# Altium PCB 蓝桥1.3.PcbDoc (part 2 of 2)
Units mm, origin at the board's own origin, x right, y up, seen from the top; angles counter-clockwise.
Board outline 175.02 x 129.02 mm, 2 copper layers (Top Layer, Bottom Layer); 128 components, 128 nets, 604 pads, 130 vias.
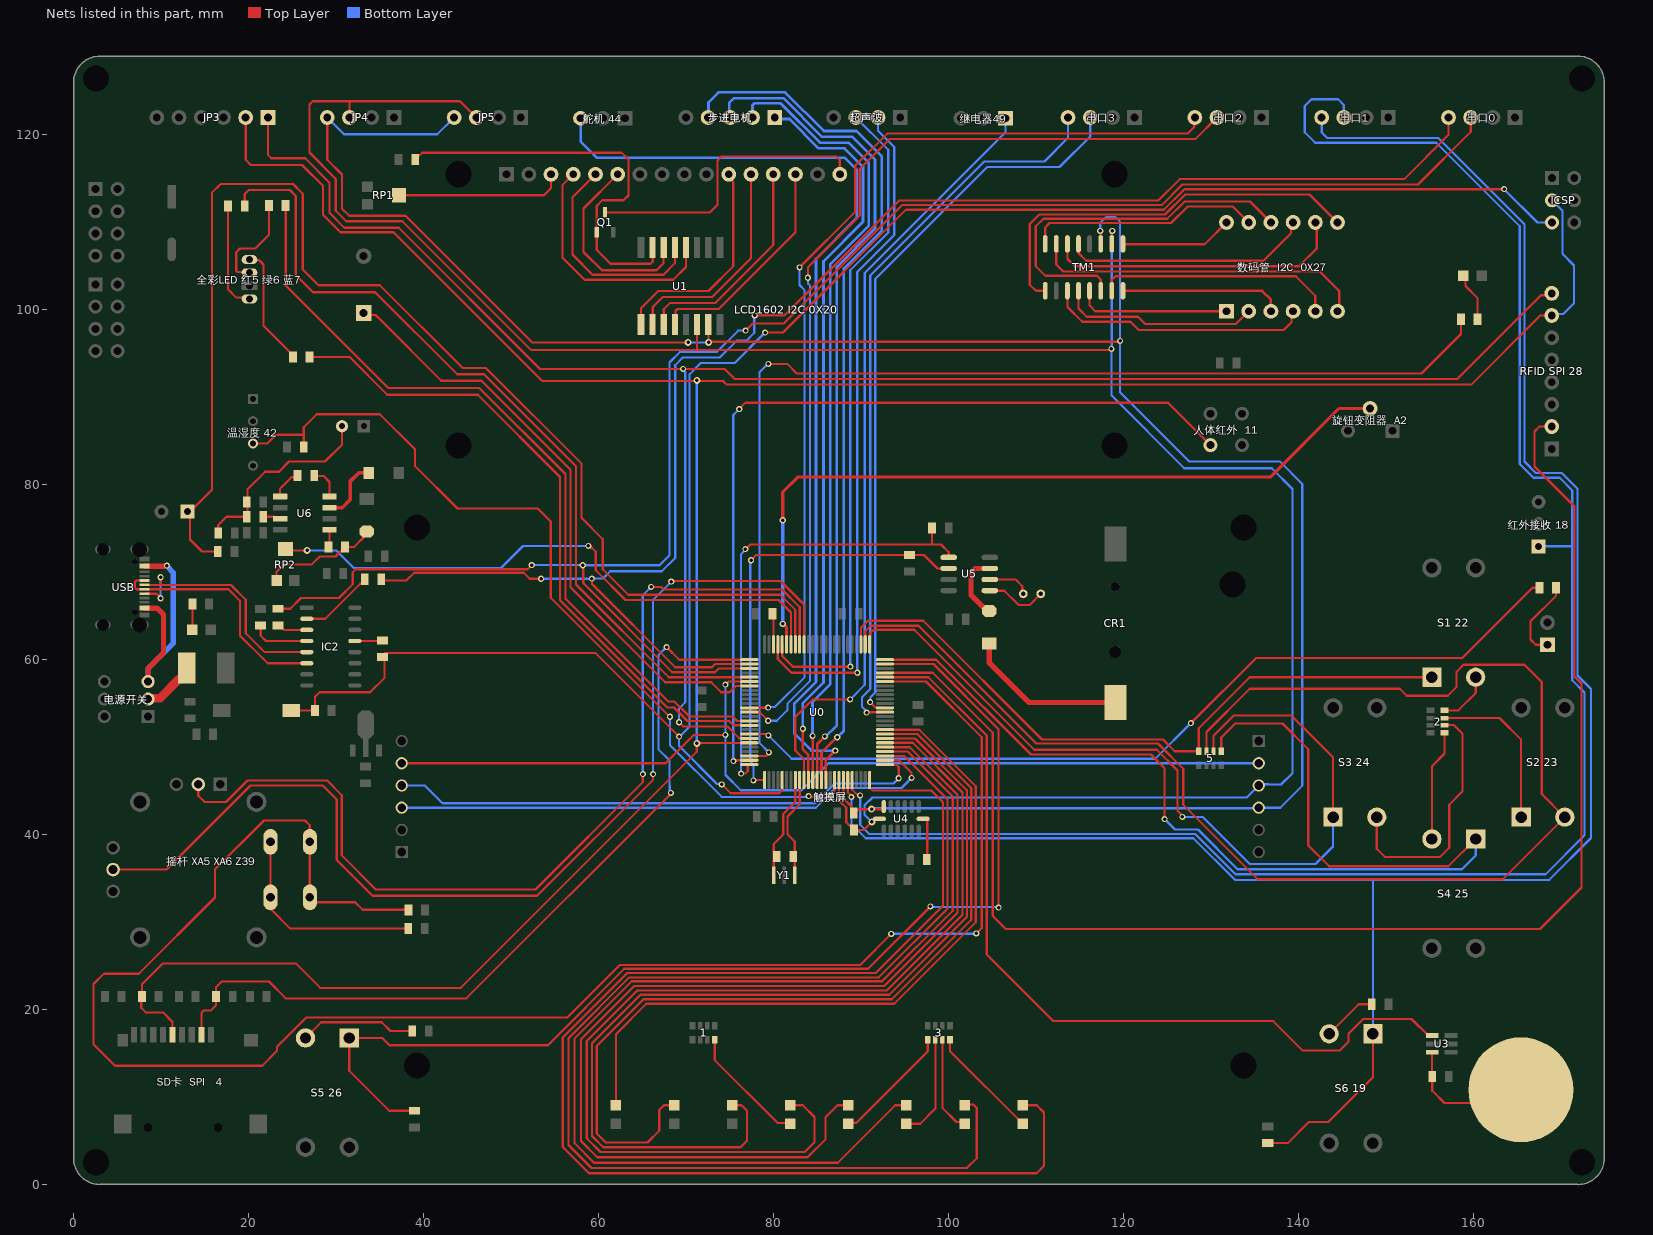
[diagram p2: the nets of this part, all layers, seen from the top]

## Via types
v1: diameter 0.7, hole 0.4, Top Layer to Bottom Layer, 71 vias
v2: diameter 0.8, hole 0.4, Top Layer to Bottom Layer, 59 vias

## Nets (pads, with @x,y where several pads share a name; then routed paths per layer and width w, separated by ;. In a path a pad name is that pad's centre, name@x,y a point inside that pad or via, vN(x,y) a via of type N, cw(c..) or ccw(c..) an arc to the next point about the centre after c; other vN are vias at no path point) (continued)
Net1_4: 1.4 LED4.1 | length 14
  Top Layer w0.254: 1.4@73.31,16.55 73.31,14.215 80.5,7.025 81.854,7.025 LED4.1@81.929,6.95
Net2_5: 2.5 "S4 25.2" | length 12.7
  Top Layer w0.254: 155.3,39.5 155.3,47.825 156.75,49.275 2.5@156.75,51.645
Net2_6: 2.6 "S3 24.2" | length 28.9
  Top Layer w0.254: 149,42 149,38.375 149.95,37.425 156.2,37.425 157.275,38.5 157.275,43.425 158.8,44.95 158.8,51.525 157.8,52.525 2.6@156.75,52.525
Net2_7: 2.7 "S2 23.1" | length 18.6
  Top Layer w0.254: 2.7@156.75,53.325 163.025,53.325 165.5,50.85 165.5,42
Net2_8: 2.8 "S1 22.2" | length 6.2
  Top Layer w0.254: 2.8@156.75,54.205 158.305,54.205 160.3,56.2 160.3,58
Net3_1: 3.1 LED5.1 | length 13.8
  Top Layer w0.254: LED5.1@88.571,6.95 88.671,7.05 89.5,7.05 97.645,15.195 3.1@97.645,16.55
Net3_2: 3.2 LED6.1 | length 11.9
  Top Layer w0.254: LED6.1@95.214,6.95 96.8,6.95 98.525,8.675 3.2@98.525,16.55
Net3_3: 3.3 LED7.1 | length 11.1
  Top Layer w0.254: 3.3@99.325,16.55 99.325,8.775 100.95,7.15 101.657,7.15 LED7.1@101.857,6.95
Net3_4: 3.4 LED8.1 | length 13
  Top Layer w0.254: 3.4@100.205,16.55 100.205,15.245 LED8.1@108.5,6.95
NetC6_2: C6.2 U0.98 | length 3.5
  Top Layer w0.254: C6.2@79.9,65.25 80.006,65.144 U0.98@80.006,61.752
NetC12_2: C12.2 IC2.13 | length 3
  Top Layer w0.254: IC2.13@32.152,62.135 C12.2@35.16,62.135
NetC14_2: C14.2 IC2.4 | length 6.7
  Top Layer w0.254: C14.2@21.375,63.9 21.375,62.75 21.99,62.135 IC2.4@26.648,62.135
NetC16_2: "声音   A3.2" C16.2 C23.1 R24.1 | length 22.8
  Top Layer w0.254: R24.1@16.525,74.5 16.525,75.4 17.475,76.35 C23.1@19.776,76.35 C23.1@19.825,76.3 ; C23.1@19.875,76.35 19.875,79.475 21.895,81.495 23.47,81.495 24.625,82.65 28.725,82.65 30.667,84.592 30.667,86.692 30.675,86.7
NetC19_2: "触摸按键  29.1" C19.2 U3.3 | length 15.8
  Top Layer w0.254: U3.3@155.321,15.118 155.321,12.354 C19.2@155.325,12.35 155.325,10.725 156.75,9.3 163.95,9.3 165.475,10.825
NetC22_1: C22.1 U6.8 | length 3.7
  Top Layer w0.254: C22.1@27.5,81.05 27.55,81 28.575,81 29.25,80.325 U6.8@29.25,78.655
NetC22_2: C22.2 U6.1 | length 3.5
  Top Layer w0.254: U6.1@23.6,78.655 23.6,79.55 24.91,80.86 25.41,80.86 C22.2@25.6,81.05
NetC23_2: C23.2 U6.3 | length 1.9
  Top Layer w0.254: C23.2@21.775,76.35 22.865,76.35 23.1,76.115 U6.3@23.6,76.115
NetC24_1: C24.1 U6.5 | length 2
  Top Layer w0.254: C24.1@29.125,72.9 29.25,73.025 U6.5@29.25,74.845
NetC24_2: C24.2 DZ1.2 RP2.1 | length 13.1
  Top Layer w0.254: RP2.1@23.2,69.05 23.2,70.051 24.049,70.9 27.225,70.9 28.125,71.8 29.925,71.8 30.517,72.392 30.707,72.392 31.025,72.709 C24.2@31.025,72.9 32.075,72.9 33.375,74.2 DZ1.2@33.5,74.2
NetCR1_1: CR1.1 D1.1 | length 18.5
  Top Layer w0.61: D1.1@104.675,61.845 104.675,59.675 109.252,55.098 CR1.1@119.1,55.098
NetD1_2: D1.2 U5.3 | length 7.8
  Top Layer w0.61: D1.2@104.675,65.555 104.42,65.555 102.6,67.375 102.6,69.95 103.085,70.435 U5.3@104.75,70.435
NetE1_1: E1.1 U6.7 | length 7.5
  Top Layer w0.254: E1.1@33.75,81.25 E1.1@33.75,81.35
  Top Layer w0.406: U6.7@29.25,77.385 30.71,77.385 31.6,78.275 31.6,80.375 32.575,81.35 E1.1@33.75,81.35
NetF1_2: F1.2 电源开关.2 | length 6.3
  Top Layer w1.016: 电源开关.2@8.5,55.5 8.593,55.593 9.868,55.593 12.083,57.808 12.408,57.808 12.9,58.3 F1.2@12.9,59.05
NetIC2_2: IC2.2 RN6.1 | length 8.6
  Top Layer w0.254: IC2.2@26.648,64.675 28.75,64.675 32.767,68.692 32.957,68.692 33.275,69.009 RN6.1@33.275,69.2
NetIC2_3: IC2.3 RN5.1 | length 3.5
  Top Layer w0.254: RN5.1@23.35,63.925 23.541,63.925 24.061,63.405 IC2.3@26.648,63.405
NetIC2_5: IC2.5 USB.A6 USB.B6 | length 29.4
  Top Layer w0.254: USB.B6@8.09,67.55 9.475,67.55 9.925,67.1 v1(9.925,67.025) ; USB.A6@8.09,68.55 9.95,68.55 ; v1(9.925,69.425) 9.95,69.4 9.95,68.55 ; IC2.5@26.648,60.865 21.835,60.865 21.335,61.365 19.675,63.025 19.675,66.85 17.975,68.55 9.95,68.55
  Bottom Layer w0.254: v1(9.925,67.025) v1(9.925,69.425)
NetIC2_6: IC2.6 USB.A7 USB.B7 | length 27.4
  Top Layer w0.254: USB.B7@8.09,69.05 7.175,69.05 6.975,68.85 6.975,68.25 7.175,68.05 USB.A7@8.09,68.05 17.7,68.05 19,66.75 19,62.775 21.68,60.095 22.18,59.595 IC2.6@26.648,59.595
"NetLCD1602 I2C 0X20_3": "LCD1602 I2C 0X20.3" RP1.2 | length 19.3
  Top Layer w0.254: RP1.2@37.2,113.1 53.775,113.1 54.58,113.905 54.58,115.5
"NetLCD1602 I2C 0X20_4": "LCD1602 I2C 0X20.4" U1.4 | length 28
  Top Layer w0.254: 57.12,115.5 55.875,114.255 55.875,105.975 58.4,103.45 68.55,103.45 70.01,104.91 U1.4@70.01,107.125
"NetLCD1602 I2C 0X20_5": "LCD1602 I2C 0X20.5" U1.5 | length 25.3
  Top Layer w0.254: 59.66,115.5 57.025,112.865 57.025,106.325 59.325,104.025 67.45,104.025 68.74,105.315 U1.5@68.74,107.125
"NetLCD1602 I2C 0X20_6": "LCD1602 I2C 0X20.6" U1.6 | length 22.6
  Top Layer w0.254: 62.2,115.5 58.3,111.6 58.3,106.625 60.4,104.525 66.643,104.525 67.433,105.315 67.433,107.088 U1.6@67.47,107.125
"NetLCD1602 I2C 0X20_11": "LCD1602 I2C 0X20.11" U1.9 | length 25.1
  Top Layer w0.254: U1.9@64.88,98.325 64.88,100.205 66.825,102.15 72.575,102.15 75.425,105 75.425,114.625 74.9,115.15 74.9,115.5
"NetLCD1602 I2C 0X20_12": "LCD1602 I2C 0X20.12" U1.10 | length 25.2
  Top Layer w0.254: U1.10@66.2,98.325 66.2,100.325 67.35,101.475 73.025,101.475 77.44,105.89 77.44,115.5
"NetLCD1602 I2C 0X20_13": "LCD1602 I2C 0X20.13" U1.11 | length 25.4
  Top Layer w0.254: U1.11@67.47,98.325 67.47,100.07 68.2,100.8 73.375,100.8 79.98,107.405 79.98,115.5
"NetLCD1602 I2C 0X20_14": "LCD1602 I2C 0X20.14" U1.12 | length 25.6
  Top Layer w0.254: U1.12@68.74,98.325 68.802,98.387 68.802,99.862 69.04,100.1 73.75,100.1 82.52,108.87 82.52,115.5
"NetLCD1602 I2C 0X20_16": "LCD1602 I2C 0X20.16" Q1.3 | length 34.2
  Top Layer w0.254: Q1.3@60.75,111.143 72.718,111.143 73.625,112.05 73.625,117.075 74.075,117.525 87.175,117.525 87.6,117.1 87.6,115.5
NetLED1_2: LED1.2 U0.59 | length 83.2
  Top Layer w0.254: LED1.2@62,9.05 62,17.175 65.475,20.65 93.825,20.65 103.15,29.975 103.15,45.525 96.675,52 U0.59@92.758,52
NetLED2_2: LED2.2 U0.58 | length 98.7
  Top Layer w0.254: LED2.2@68.643,9.05 67.5,9.05 66.95,8.5 66.95,6.15 65.6,4.8 60.825,4.8 59.8,5.825 59.8,15.825 65.15,21.175 93.55,21.175 102.625,30.25 102.625,45.325 96.45,51.5 U0.58@92.758,51.5
NetLED3_2: LED3.2 U0.57 | length 109.7
  Top Layer w0.254: LED3.2@75.286,9.05 76.35,9.05 76.975,8.425 76.975,4.986 76.239,4.25 60.55,4.25 59.25,5.55 59.25,16.15 64.8,21.7 93.25,21.7 102.125,30.575 102.125,45.075 96.2,51 U0.57@92.758,51
NetLED4_2: LED4.2 U0.56 | length 118.7
  Top Layer w0.254: LED4.2@81.929,9.05 83.35,9.05 84.7,7.7 84.7,4.825 83.575,3.7 60.225,3.7 58.65,5.275 58.65,16.4 64.425,22.175 92.975,22.175 101.625,30.825 101.625,44.825 95.95,50.5 U0.56@92.758,50.5
NetLED5_2: LED5.2 U0.55 | length 120
  Top Layer w0.254: LED5.2@88.571,9.05 87.325,9.05 85.975,7.7 85.975,5.175 83.9,3.1 59.875,3.1 58,4.975 58,16.6 64.1,22.7 92.675,22.7 101.05,31.075 101.05,44.55 95.6,50 U0.55@92.758,50
NetLED6_2: LED6.2 U0.54 | length 125.8
  Top Layer w0.254: U0.54@92.758,49.5 95.35,49.5 100.5,44.35 100.5,31.3 92.425,23.225 63.8,23.225 57.275,16.7 57.275,4.7 59.5,2.475 87.35,2.475 93.925,9.05 LED6.2@95.214,9.05
NetLED7_2: LED7.2 U0.53 | length 139
  Top Layer w0.254: U0.53@92.758,49 94.95,49 99.925,44.025 99.925,31.55 92.05,23.675 63.525,23.675 56.575,16.725 56.575,4.5 59.2,1.875 102.125,1.875 103.25,3 103.25,8.75 102.855,9.145 101.952,9.145 LED7.2@101.857,9.05
NetLED8_2: LED8.2 U0.50 | length 149.5
  Top Layer w0.254: U0.50@91.006,46.248 91.006,45.399 91.08,45.325 91.1,45.325 91.375,45.05 98.05,45.05 99.4,43.7 99.4,31.875 91.7,24.175 63.3,24.175 55.925,16.8 55.925,4.275 58.925,1.275 110.1,1.275 110.95,2.125 110.95,8.225 110.125,9.05 LED8.2@108.5,9.05
NetLED9_1: LED9.1 R15.2 | length 5.7
  Top Layer w0.254: LED9.1@159.131,104.013 159.131,102.719 160.525,101.325 R15.2@160.525,98.925
NetLED10_1: LED10.1 RN1.2 | length 2.6
  Top Layer w0.254: RN1.2@13.575,66.375 13.575,63.83 LED10.1@13.605,63.8
NetQ1_1: Q1.1 R8.2 U1.7 | length 47.2
  Top Layer w0.254: R8.2@39.05,117.175 39.05,117.365 39.291,117.607 39.482,117.607 39.85,117.975 62.65,117.975 63.425,117.2 63.425,113.075 62.875,112.525 60.45,112.525 59.8,111.875 Q1.1@59.8,108.857 59.8,106.85 61.375,105.275 65.962,105.275 66.2,105.513 U1.7@66.2,107.125
NetR1_1: R1.1 U0.33 Y1.1 | length 11.9
  Top Layer w0.254: Y1.1@80.05,35.35 80.05,37.475 80.05,38.925 81.125,40 81.125,42.35 82.506,43.731 U0.33@82.506,46.248
NetR1_2: R1.2 U0.34 Y1.3 | length 11.8
  Top Layer w0.254: Y1.3@82.45,35.35 82.45,37.475 82.45,39.2 81.625,40.025 81.625,42.075 83.006,43.456 U0.34@83.006,46.248
NetR5_1: "全彩LED 红5 绿6 蓝7.1" R5.1 | length 12.4
  Top Layer w0.254: R5.1@17.65,111.875 17.65,102.35 18.6,101.4 19.925,101.4 20.1,101.575
NetR6_1: "全彩LED 红5 绿6 蓝7.3" R6.1 | length 11.7
  Top Layer w0.254: 20.1,104.075 19.85,104.325 18.725,104.325 18.575,104.475 18.575,106.575 19.025,107.025 20.746,107.025 22.325,108.604 R6.1@22.325,111.95
NetR7_1: "全彩LED 红5 绿6 蓝7.4" R7.1 | length 13.8
  Top Layer w0.254: 20.1,105.7 21.175,105.7 21.7,105.175 21.7,98.19 25.075,94.815 R7.1@25.075,94.625
NetR9_2: "红外发射  9.1" R9.2 | length 9.3
  Top Layer w0.254: 168.5,61.705 167.17,61.705 166.575,62.3 166.575,64.4 169.5,67.325 R9.2@169.5,68.225
NetR14_1: R14.1 U4.7 | length 5.4
  Top Layer w0.254: U4.7@96.722,41.8 96.779,41.743 97.432,41.743 97.6,41.575 97.6,37.225 R14.1@97.55,37.175
NetR18_1: "S5 26.2" R18.1 | length 13.4
  Top Layer w0.254: 26.5,16.75 28.3,18.55 35.225,18.55 36.225,17.55 R18.1@38.7,17.55
NetR19_2: "S6 19.2" R19.2 | length 6.4
  Top Layer w0.254: 143.55,17.225 146.925,20.6 R19.2@148.425,20.6 R19.2@148.55,20.475
NetR20_2: "摇杆 XA5 XA6 Z39.a" "摇杆 XA5 XA6 Z39.c" R20.2 | length 24.3
  Top Layer w0.254: 22.5,39.175 22.5,32.825 22.5,31.525 24.775,29.25 R20.2@38.25,29.25
NetTM1_1: "数码管  I2C  0X27.12" TM1.1 | length 12.9
  Top Layer w0.254: TM1.1@119.97,107.542 120.012,107.5 129.31,107.5 131.81,110
NetTM1_5: "数码管  I2C  0X27.9" TM1.5 | length 28.3
  Top Layer w0.254: TM1.5@114.89,107.542 114.9,107.532 114.9,106.5 115.775,105.625 136.05,105.625 139.194,108.769 139.194,109.764 139.43,110
NetTM1_6: "数码管  I2C  0X27.8" TM1.6 | length 34.5
  Top Layer w0.254: TM1.6@113.62,107.542 113.62,105.805 114.45,104.975 140.075,104.975 142.125,107.025 142.125,109.845 141.97,110
NetTM1_7: "数码管  I2C  0X27.6" TM1.7 | length 38.4
  Top Layer w0.254: TM1.7@112.35,107.542 112.35,105.175 113.125,104.4 142.45,104.4 144.7,102.15 144.7,100.03 144.51,99.84
NetTM1_8: "数码管  I2C  0X27.11" TM1.8 | length 26.9
  Top Layer w0.254: TM1.8@111.08,107.542 111.08,109.425 111.58,109.925 125.475,109.925 127.375,111.825 132.525,111.825 134.35,110
NetTM1_9: "数码管  I2C  0X27.7" TM1.9 | length 46.9
  Top Layer w0.254: TM1.9@111.08,102.183 110.017,102.183 109.325,102.875 109.325,109.825 110.4,110.9 124.786,110.9 127.086,113.2 141.31,113.2 144.51,110
NetTM1_11: "数码管  I2C  0X27.4" TM1.11 | length 30.3
  Top Layer w0.254: TM1.11@113.62,102.183 113.62,100.33 115.312,98.637 120.838,98.637 121.775,97.7 138.35,97.7 139.259,98.609 139.259,99.669 139.43,99.84
NetTM1_12: "数码管  I2C  0X27.2" TM1.12 | length 22.8
  Top Layer w0.254: TM1.12@114.89,102.183 114.89,100.16 115.835,99.215 121.685,99.215 122.525,98.375 132.885,98.375 134.35,99.84
NetTM1_13: "数码管  I2C  0X27.1" TM1.13 | length 17.6
  Top Layer w0.254: TM1.13@116.16,102.183 116.16,100.49 116.81,99.84 131.81,99.84
NetTM1_14: "数码管  I2C  0X27.10" TM1.14 | length 43
  Top Layer w0.254: TM1.14@117.43,102.183 117.43,103.47 117,103.9 111.1,103.9 110,105 110,109.55 110.875,110.425 125.05,110.425 127.025,112.4 134.49,112.4 136.89,110
NetTM1_15: "数码管  I2C  0X27.5" TM1.15 | length 27.4
  Top Layer w0.254: TM1.15@118.7,102.183 118.7,103.425 119.125,103.85 139.725,103.85 141.97,101.605 141.97,99.84
NetTM1_16: "数码管  I2C  0X27.3" TM1.16 | length 18.7
  Top Layer w0.305: TM1.16@119.97,102.183 135.867,102.183 136.89,101.16 136.89,99.84
NetU5_1: U5.1 Y3.1 | length 7
  Top Layer w0.254: U5.1@104.75,67.895 106.405,67.895 108.05,66.25 109.3,66.25 Y3.1@110.575,67.525
NetU5_2: U5.2 Y3.2 | length 5
  Top Layer w0.254: U5.2@104.75,69.165 107.71,69.165 108.469,68.406 108.469,67.631 Y3.2@108.575,67.525
NetUSB_A4-B9: USB.A4-B9 USB.B4-A9 电源开关.3 | length 28.2
  Top Layer w0.61: USB.B4-A9@8.09,65.9 9.525,65.9 10.275,65.15 10.275,60.775 8.5,59 电源开关.3@8.5,57.5 ; USB.A4-B9@8.09,70.7 10.6,70.7 v1(10.65,70.75)
  Bottom Layer w0.61: 电源开关.3@8.5,57.5 8.5,59 11.375,61.875 11.375,69.973 10.65,70.698 v1(10.65,70.75)
P1: "SD卡  SPI   4.2" R10.2 U0.1 | length 97.2
  Top Layer w0.254: 14.6,17.127 14.6,19.625 14.85,19.875 15.672,19.875 16.274,20.476 R10.2@16.274,21.475 16.274,22.549 16.925,23.2 22.325,23.2 24.25,21.275 44.9,21.275 68.29,44.665 v1(68.29,44.76) ; v1(67.785,61.45) 69.235,60 U0.1@77.253,60
  Bottom Layer w0.254: v1(67.785,61.45) 66.85,60.515 66.85,49.775 68.125,48.5 68.125,45.618 68.158,45.586 68.158,44.892 v1(68.29,44.76)
P2: RN6.2 U0.2 串口0.4 | length 182.5
  Top Layer w0.254: RN6.2@35.175,69.2 35.325,69.05 38.025,69.05 38.925,69.95 51.45,69.95 52.15,69.25 v1(53.45,69.25) ; v1(59.25,69.275) 59.25,68.65 68.775,59.125 72.975,59.125 73.35,59.5 U0.2@77.253,59.5 ; v1(77.875,99.375) 81.275,99.375 85.325,103.425 94.4,112.5 124,112.5 126.45,114.95 152.125,114.95 157.19,120.015 串口0.4@157.19,122
  Bottom Layer w0.254: v1(53.45,69.25) 53.462,69.263 59.238,69.263 v1(59.25,69.275) 60.525,69.275 61.35,70.1 67.25,70.1 68.775,71.625 68.775,93.675 69.65,94.55 73.875,94.55 75.8,96.475 76.925,96.475 77.825,97.375 77.825,99.325 v1(77.875,99.375)
P3: RN5.2 U0.3 串口0.3 | length 199.8
  Top Layer w0.254: RN5.2@23.35,65.825 24.775,65.825 26,67.05 30.325,67.05 31.9,68.625 31.9,70 32.25,70.35 51.9,70.35 v1(52.375,70.825) ; v1(58.2,70.8) 58.25,70.75 58.25,68.775 68.45,58.575 73.325,58.575 73.75,59 U0.3@77.253,59 ; v1(76.825,97.625) 76.825,97.641 77.634,98.45 81.175,98.45 94.7,111.975 124.4,111.975 126.75,114.325 153.7,114.325 159.73,120.355 串口0.3@159.73,122
  Bottom Layer w0.254: v1(52.375,70.825) 52.387,70.812 58.188,70.812 v1(58.2,70.8) 66.975,70.8 68.125,71.95 68.125,93.975 69.35,95.2 73.55,95.2 75.975,97.625 v1(76.825,97.625)
P5: R5.2 U0.5 | length 95.6
  Top Layer w0.254: R5.2@19.55,111.875 19.55,113.251 19.999,113.7 24.725,113.7 25.4,113.025 25.4,103.975 27.35,102.025 34.45,102.025 43.85,92.625 46.925,92.625 57.425,82.125 57.425,68.6 68.025,58 U0.5@77.253,58
P6: U0.6 触摸屏.5 触摸屏.11 | length 114.5
  Top Layer w0.254: 触摸屏.5@37.5,48.16 67.66,48.16 70.9,51.4 v1(74.525,51.4) ; v1(74.525,57.15) 74.55,57.15 74.9,57.5 U0.6@77.253,57.5
  Bottom Layer w0.254: v1(74.525,57.15) v1(74.525,51.4) 74.525,46.825 76.275,45.075 83.225,45.075 86.31,48.16 触摸屏.11@135.5,48.16
P7: "蜂鸣器  3.1" U0.7 | length 70.2
  Top Layer w0.254: 33.15,99.65 33.39,99.41 34.515,99.41 35.15,98.775 42.025,91.9 46.625,91.9 56.8,81.725 56.8,68.275 67.65,57.425 72.9,57.425 74.05,56.275 74.975,56.275 75.7,57 U0.7@77.253,57
P12: U0.12 串口2.4 | length 110.8
  Top Layer w0.254: U0.12@77.253,54.5 77.266,54.512 79.388,54.512 v1(79.4,54.525) ; v1(82.997,104.847) 89.375,111.225 89.375,116.5 93.025,120.15 127.35,120.15 128.118,120.918 128.118,121.928 串口2.4@128.19,122
  Bottom Layer w0.254: v1(79.4,54.525) 79.481,54.606 80.181,54.606 83.575,58 83.575,102.253 82.997,102.831 v1(82.997,104.847)
P13: U0.13 串口2.3 | length 114
  Top Layer w0.254: U0.13@77.253,54 77.272,53.982 78.443,53.982 v1(79.4,53.025) ; v1(83.95,103.675) 83.95,104.875 89.875,110.8 89.875,116.1 93.325,119.55 128.28,119.55 串口2.3@130.73,122
  Bottom Layer w0.254: v1(79.4,53.025) 80.4,53.025 81.6,54.225 81.6,54.975 84.175,57.55 84.175,102.8 83.95,103.025 v1(83.95,103.675)
P14: R6.2 U0.15 | length 91.2
  Top Layer w0.254: R6.2@24.225,111.95 24.252,111.923 24.252,102.773 35.95,91.075 46.375,91.075 56.225,81.225 56.225,66.975 67.97,55.23 68.67,55.23 70.4,53.5 75.35,53.5 75.85,53 U0.15@77.253,53
P15: R7.2 U0.16 | length 76
  Top Layer w0.254: R7.2@26.975,94.625 31.525,94.625 35.85,90.3 46.2,90.3 55.6,80.9 55.6,66.8 67.875,54.525 68.65,54.525 70.175,53 74.95,53 75.45,52.5 U0.16@77.253,52.5
P18: R9.1 U0.18 | length 99.6
  Top Layer w0.254: U0.18@77.253,51.5 79.127,51.5 79.277,51.35 v1(79.425,51.35) ; v1(127.75,52.75) 135.2,60.2 158.775,60.2 166.8,68.225 R9.1@167.6,68.225
  Bottom Layer w0.254: v1(79.425,51.35) 82.1,48.675 123.675,48.675 v1(127.75,52.75)
P23: R15.1 U0.23 | length 131.3
  Top Layer w0.254: U0.23@77.253,49 79.175,49 79.5,49.325 v1(79.5,49.4) ; v1(79.425,93.825) 81.575,93.825 82.675,92.725 154.1,92.725 158.625,97.25 R15.1@158.625,98.825 ; R15.1@158.625,98.925 R15.1@158.625,98.825 ; R15.1@158.875,99.075 R15.1@158.625,98.825
  Bottom Layer w0.254: v1(79.425,93.825) 79.375,93.825 78.4,92.85 78.4,50.5 v1(79.5,49.4)
P24: "人体红外  11.4" U0.24 | length 98.5
  Top Layer w0.254: v1(75.425,48.4) 75.55,48.4 75.65,48.5 U0.24@77.253,48.5 ; v1@76.125,88.7 76.8,89.375 125.133,89.375 129.979,84.529
  Bottom Layer w0.254: v1(75.425,48.4) 75.425,87.975 v1(76.1,88.65)
P25: R17.1 U0.25 U5.5 | length 54
  Top Layer w0.254: v1(76.3,46.975) 76.325,47 76.825,47 77.075,47.25 77.075,47.956 77.119,48 U0.25@77.253,48 ; v1(76.8,72.65) 76.854,72.65 77.379,73.175 98.175,73.175 ; R17.1@98.15,75.05 98.15,73.2 98.175,73.175 ; U5.5@100.05,71.705 100.05,72.3 99.175,73.175 98.175,73.175
  Bottom Layer w0.254: v1(76.3,46.975) 76.3,72.045 76.8,72.545 v1(76.8,72.65)
P26: R16.1 U0.26 U5.6 | length 50.2
  Top Layer w0.254: v1(77.45,71.375) 78.05,71.975 97.225,71.975 98.765,70.435 U5.6@100.05,70.435 ; v1(77.725,46.2) 77.85,46.2 77.898,46.248 U0.26@79.006,46.248
  Bottom Layer w0.254: v1(77.45,71.375) 77.346,71.271 77.346,48.379 77.725,48 v1(77.725,46.2)
P30: C12.1 ICSP.5 REST.1 RR.2 U0.30 | length 221
  Top Layer w0.254: REST.1@24.801,54.2 RR.2@27.575,54.2 27.575,55.725 28.125,56.275 33.875,56.275 35.55,57.95 35.55,60.325 35.55,60.75 59.675,60.75 v1(69.225,51.2) ; v1(74.1,45.75) 75.125,44.725 80.675,44.725 80.987,45.037 80.987,46.229 U0.30@81.006,46.248 ; v1(79.05,97.4) 81.1,97.4 95.15,111.45 124.65,111.45 127,113.8 v1(163.55,113.8)
  Bottom Layer w0.254: v1(74.1,45.75) 74.052,45.798 73.552,45.798 69.225,50.125 v1(69.225,51.2) 69.275,51.2 70.425,52.35 70.425,92.65 71.7,93.925 75.575,93.925 v1(79.05,97.4) ; v1(163.55,113.8) 167.36,109.99 ICSP.5@169.03,109.99
P35: U0.35 继电器49.1 | length 88.5
  Top Layer w0.254: U0.35@83.506,46.248 83.506,48.619 82.5,49.625 82.5,53.45 84.5,55.45 v1(88.775,55.45)
  Bottom Layer w0.254: v1(88.775,55.45) 90.45,57.125 90.45,104.225 106.54,120.315 继电器49.1@106.54,121.908
P36: U0.36 步进电机.1 | length 85.6
  Top Layer w0.305: v1(83.375,52.1) 83.375,49.75 84.006,49.119 U0.36@84.006,46.248
  Bottom Layer w0.305: 步进电机.1@80.16,122 80.33,121.83 81.82,121.83 85.175,118.475 88.125,118.475 90.25,116.35 90.25,110.075 85.725,105.55 85.725,57.375 83.375,55.025 v1(83.375,52.1)
P37: U0.37 步进电机.2 | length 90.8
  Top Layer w0.305: v1(84.475,51.275) 84.497,51.253 84.497,46.256 U0.37@84.506,46.248
  Bottom Layer w0.305: 步进电机.2@77.62,122 77.62,123.395 77.85,123.625 80.825,123.625 85.325,119.125 88.6,119.125 90.9,116.825 90.9,109.6 86.5,105.2 86.5,57.175 84.475,55.15 v1@84.475,51.287
P38: U0.38 步进电机.3 | length 95.2
  Top Layer w0.305: U0.38@85.006,46.248 85.006,50.331 v1(85.9,51.225)
  Bottom Layer w0.305: 步进电机.3@75.08,122 74.95,122.13 74.95,123.675 75.475,124.2 81.15,124.2 85.575,119.775 89.025,119.775 91.625,117.175 91.625,109.3 87.25,104.925 87.25,52.5 85.975,51.225 v1(85.9,51.225)
P39: U0.39 步进电机.4 | length 99.3
  Top Layer w0.305: U0.39@85.506,46.248 85.506,49.397 87.234,51.125 v1(87.3,51.125)
  Bottom Layer w0.305: 步进电机.4@72.54,122 72.575,122.035 72.575,123.725 73.725,124.875 81.35,124.875 85.775,120.45 89.5,120.45 92.4,117.55 92.4,109.075 88.05,104.725 88.05,51.875 v1(87.3,51.125)
P40: "舵机 44.3" U0.40 | length 112.3
  Top Layer w0.305: U0.40@86.006,46.248 86.006,48.531 v1(87.075,49.6)
  Bottom Layer w0.305: 57.96,121.908 57.96,119.24 59.825,117.375 88.175,117.375 89.525,116.025 89.525,110.475 84.875,105.825 84.875,57.475 82.4,55 82.4,51.55 84.35,49.6 v1(87.075,49.6)
P42: "温湿度 42.2" R4.2 U0.42 | length 97.7
  Top Layer w0.254: 20.5,84.73 22.13,84.73 23.125,85.725 26.275,85.725 26.3,85.7 ; R4.2@26.3,84.325 26.3,85.7 ; v1(68.166,53.475) 54.55,67.091 54.55,75.8 53.075,77.275 43.875,77.275 39.038,82.112 39.038,84.038 35,88.075 27.8,88.075 26.3,86.575 26.3,85.7 ; v1(84.025,44.4) 84.11,44.315 86.365,44.315 86.987,44.937 86.987,46.229 U0.42@87.006,46.248
  Bottom Layer w0.254: v1(68.166,53.475) 68.166,50.234 74.085,44.315 83.94,44.315 v1(84.025,44.4)
P45: "S6 19.1" R23.2 U0.45 串口1.4 | length 236.5
  Top Layer w0.254: U0.45@88.506,46.248 88.506,44.84 88.925,44.421 v1(88.925,44.3) ; R23.2@136.525,4.725 138.8,4.725 141.225,7.15 143.45,7.15 148.55,12.25 148.55,17.225
  Bottom Layer w0.254: v1(88.925,44.3) 88.925,41.2 90.55,39.575 128.025,39.575 132.775,34.825 148.55,34.825 ; 串口1.4@142.69,122 142.69,120.285 143.327,119.648 156.027,119.648 165.875,109.8 165.875,82.65 167.175,81.35 170.15,81.35 171.95,79.55 171.95,58.2 173.5,56.65 173.5,39.6 168.725,34.825 148.55,34.825 ; 148.55,17.225 148.55,34.825
P46: "红外接收 18.1" U0.46 串口1.3 | length 209.5
  Top Layer w0.254: U0.46@89.006,46.248 89.024,46.229 89.024,45.141 89.605,44.56 89.84,44.56 v1(89.925,44.475)
  Bottom Layer w0.254: v1(89.925,44.475) 89.925,41.125 90.975,40.075 128.25,40.075 132.85,35.475 168.3,35.475 172.75,39.925 172.75,56.25 171.35,57.65 171.35,72.9 ; 串口1.3@145.23,122 145.23,123.42 144.575,124.075 141.525,124.075 140.75,123.3 140.75,120.3 141.95,119.1 155.8,119.1 165.35,109.55 165.35,82.375 166.925,80.8 169.9,80.8 171.35,79.35 171.35,72.9 ; 167.5,72.96 171.29,72.96 171.35,72.9
P51: U0.51 触摸屏.4 | length 61.8
  Top Layer w0.254: U0.51@92.758,48 94.05,48 94.325,47.725 v1(94.325,46.45)
  Bottom Layer w0.254: 触摸屏.4@37.5,45.62 40.13,45.62 42.175,43.575 84.75,43.575 87.025,45.85 93.725,45.85 v1(94.325,46.45)
P52: U0.52 触摸屏.3 | length 63.9
  Top Layer w0.254: U0.52@92.758,48.5 94.375,48.5 95.8,47.075 v1(95.8,46.475)
  Bottom Layer w0.254: 触摸屏.3@37.5,43.08 84.855,43.08 85.925,44.15 87.1,45.325 94.65,45.325 v1(95.8,46.475)
P63: U0.63 串口3.4 | length 84.2
  Top Layer w0.254: v1(90.65,53.95) 90.682,53.982 92.74,53.982 U0.63@92.758,54
  Bottom Layer w0.254: v1(90.65,53.95) 90.65,54.098 90.125,54.623 90.125,55.7 91.075,56.65 91.075,103.925 104.125,116.975 111,116.975 113.69,119.665 串口3.4@113.69,122
P64: U0.64 串口3.3 | length 84.1
  Top Layer w0.254: v1(91.05,55.15) 91.682,54.518 92.74,54.518 U0.64@92.758,54.5
  Bottom Layer w0.254: v1(91.05,55.15) 91.098,55.198 91.098,55.698 91.65,56.25 91.65,103.525 104.45,116.325 112.725,116.325 116.23,119.83 串口3.3@116.23,122
P70: "摇杆 XA5 XA6 Z39.b" "摇杆 XA5 XA6 Z39.d" R21.1 U0.70 | length 206.5
  Top Layer w0.254: R21.1@38.275,31.4 33.036,31.4 32.159,32.277 27.548,32.277 27,32.825 27,39.175 27,41.075 26.45,41.625 21.75,41.625 16.15,36.025 16.15,32.8 7.45,24.1 3.45,24.1 2.275,22.925 2.275,16.025 4.725,13.575 21.55,13.575 23.25,15.275 23.25,15.75 26.6,19.1 56.425,19.1 62.425,25.1 89.925,25.1 v1(93.475,28.65) ; U0.70@92.758,57.5 97.45,57.5 103.825,51.125 103.825,29.325 v1(103.2,28.7)
  Bottom Layer w0.254: v1(93.475,28.65) 93.5,28.675 103.175,28.675 v1(103.2,28.7)
P71: U0.71 U3.1 | length 97.7
  Top Layer w0.254: U0.71@92.758,58 97.725,58 104.4,51.325 104.4,26.3 112.025,18.675 137.15,18.675 140.525,15.3 144.725,15.3 145.75,16.325 145.75,17.225 147.45,18.925 152.964,18.925 154.871,17.018 U3.1@155.321,17.018
P72: "RFID SPI 28.2" U0.72 | length 162.6
  Top Layer w0.254: U0.72@92.758,58.5 98.225,58.5 105.075,51.65 105.075,30.7 106.575,29.2 167.65,29.2 172.4,33.95 172.4,57.275 171.6,58.075 171.6,77.525 167.025,82.1 167.025,86.1 167.575,86.65 169,86.65
P74: "S5 26.1" R22.2 U0.74 | length 130.8
  Top Layer w0.254: R22.2@38.975,8.425 36.075,8.425 31.5,13 31.5,16.75 35.275,16.75 36.1,15.925 54.225,15.925 62.95,24.65 90.825,24.65 v1(97.962,31.787) ; U0.74@92.758,59.5 98.3,59.5 105.75,52.05 v1(105.75,31.65)
  Bottom Layer w0.254: v1(97.962,31.787) 98.031,31.719 105.681,31.719 v1(105.75,31.65)
P75: 5.5 "S4 25.1" U0.75 | length 129.3
  Top Layer w0.254: U0.75@92.758,60 98.6,60 109.45,49.15 123.175,49.15 124.725,47.6 v1(124.725,41.775) ; 5.5@131.205,49.525 131.205,51.105 132.8,52.7 138.225,52.7 141.163,49.762 141.163,38.763 143.55,36.375 157.175,36.375 160.3,39.5
  Bottom Layer w0.254: v1(124.725,41.775) 125.925,40.575 128.55,40.575 133.075,36.05 158.75,36.05 160.3,37.6 160.3,39.5
P76: 5.6 "S3 24.1" U0.76 | length 97.7
  Top Layer w0.254: U0.76@91.006,61.752 91.024,61.771 91.024,62.999 91.45,63.425 96.1,63.425 109.825,49.7 123.825,49.7 126.2,47.325 126.2,42.734 126.775,42.159 v1(126.775,42.025) ; 5.6@130.325,49.525 130.325,51.3 132.65,53.625 139.225,53.625 144,48.85 144,42
  Bottom Layer w0.254: v1(126.775,42.025) 129.1,42.025 134.475,36.65 142,36.65 144,38.65 144,42
P77: 5.7 "S2 23.2" U0.77 | length 161.9
  Top Layer w0.254: U0.77@90.506,61.752 90.506,63.256 91.125,63.875 96.6,63.875 110.05,50.425 123.975,50.425 126.862,47.537 126.862,43.412 135.375,34.9 163.4,34.9 170.5,42 167.85,44.65 167.85,57.45 165.887,59.412 158.912,59.412 158.125,58.625 158.125,56.9 157.1,55.875 152.425,55.875 151.625,56.675 134.475,56.675 129.525,51.725 5.7@129.525,49.525
P78: 5.8 "S1 22.1" U0.78 | length 78.8
  Top Layer w0.254: U0.78@90.006,61.752 90.006,63.631 90.825,64.45 97.15,64.45 110.725,50.875 124.548,50.875 125.898,49.525 5.8@128.645,49.525 128.645,52.17 134.475,58 155.3,58
P91: "摇杆 XA5 XA6 Z39.2_VR2" U0.91 | length 124.9
  Top Layer w0.254: 4.5,36 10.6,36 20.225,45.625 28.475,45.625 30.075,44.025 30.075,37.1 34.175,33 52.975,33 66.25,46.275 v1(66.25,46.925) ; v1(68.325,68.925) 68.4,69 80.825,69 83.506,66.319 U0.91@83.506,61.752
  Bottom Layer w0.254: v1(66.25,46.925) 66.25,66.85 v1(68.325,68.925)
P92: "摇杆 XA5 XA6 Z39.2_VR1" U0.92 | length 112.6
  Top Layer w0.254: 14.25,45.75 14.25,44.45 14.975,43.725 17.425,43.725 19.875,46.175 28.975,46.175 30.65,44.5 30.65,37.625 34.55,33.725 52.8,33.725 65.075,46 v1(65.075,46.925) ; v1(66.025,68.325) 66.033,68.317 67.195,68.317 67.487,68.025 80.975,68.025 83.006,65.994 U0.92@83.006,61.752
  Bottom Layer w0.254: v1(65.075,46.925) 65.075,67.375 v1(66.025,68.325)
P93: R2.2 U0.93 光敏.1 | length 146.4
  Top Layer w0.254: R2.2@16.475,72.375 14.675,72.375 13.3,73.75 13.3,76.9 15.8,79.4 15.8,113.375 16.825,114.4 25.075,114.4 26.2,113.275 26.2,104.625 28,102.825 35,102.825 44.475,93.35 47.125,93.35 58.075,82.4 58.075,76.212 60.5,73.787 60.5,70.325 63.4,67.425 80.775,67.425 82.506,65.694 U0.93@82.506,61.752
P94: RP2.2 U0.94 | length 67.8
  Top Layer w0.254: RP2.2@24.2,72.65 24.35,72.5 v2(26.7,72.5) ; v1(58.85,73) 59.037,73 59.687,72.35 59.687,70.238 63.1,66.825 80.575,66.825 82.006,65.394 U0.94@82.006,61.752
  Bottom Layer w0.254: v2(26.7,72.5) 30,72.5 32.025,70.475 48.85,70.475 51.375,73 v1(58.85,73)
P95: "旋钮变阻器  A2.2" U0.95 | length 88.7
  Top Layer w0.356: v1(81.075,64.1) 81.125,64.05 81.175,64.05 81.506,63.719 U0.95@81.506,61.752 ; v1(81.075,75.95) 81.075,79.175 82.775,80.875 136.825,80.875 144.665,88.715 148.235,88.715
  Bottom Layer w0.356: v1(81.075,64.1) v1(81.075,75.95)
P96: U0.96 超声波.3 | length 75.7
  Top Layer w0.254: U0.96@81.006,61.752 81.024,61.734 81.024,60.426 82.25,59.2 v1(88.8,59.2)
  Bottom Layer w0.254: v1(88.8,59.2) 88.8,104.525 93.125,108.85 93.125,118.305 超声波.3@89.43,122
P97: U0.97 超声波.2 | length 77.4
  Top Layer w0.254: U0.97@80.506,61.752 80.506,60.321 80.505,60.07 82.075,58.5 v1(89.6,58.5)
  Bottom Layer w0.254: v1(89.6,58.5) 89.6,104.325 93.825,108.55 93.825,118.625 91.97,120.48 超声波.2@91.97,122
SCK: "RFID SPI 28.7" "SD卡  SPI   4.5" ICSP.3 JP3.2 R12.1 U0.20 | length 319.7
  Top Layer w0.254: 11.3,17.127 11.3,18.575 10.2,19.675 8.25,19.675 7.725,20.2 7.725,21.392 R12.1@7.808,21.475 7.808,22.883 10.2,25.275 25.4,25.275 28.2,22.475 44.25,22.475 71.25,49.475 v2(71.25,50.425) 71.307,50.482 77.235,50.482 U0.20@77.253,50.5 ; JP3.2@19.66,122 19.66,117.165 20.25,116.575 26.1,116.575 28.5,114.175 28.5,110.875 30.5,108.875 36.575,108.875 53.575,91.875 71.25,91.875 74.25,91.875 74.675,91.45 159.8,91.45 167.7,99.35 169,99.35 169.025,99.375
  Bottom Layer w0.254: v2(71.25,50.425) v2(71.25,91.95) ; 169,99.35 169.191,99.541 170.341,99.541 171.55,100.75 171.55,105.075 170.225,106.4 170.225,111.335 ICSP.3@169.03,112.53
SCL: JP4.3 JP5.3 RN3.2 TM1.2 U0.43 U1.14 U4.14 触摸屏.10 | length 275.4
  Top Layer w0.254: JP4.3@31.53,122 31.53,123.863 ; JP5.3@46.04,122 44.177,123.863 31.53,123.863 ; U1.14@71.28,98.325 71.28,95.545 71.4,95.425 ; U0.43@87.506,46.248 87.506,43.894 88.325,43.075 88.325,41.425 88.717,41.033 88.907,41.033 89.225,40.715 RN3.2@89.225,40.525 ; RN3.2@89.415,40.525 90.325,40.525 v2(91.25,41.45) ; v2@91.275,41.45 91.625,41.8 U4.14@92.527,41.8 ; v1(118.65,95.525) 118.55,95.425 71.4,95.425 ; TM1.2@118.7,107.542 118.725,107.567 118.725,109 v1(118.75,109.025) ; 31.53,123.863 27.337,123.863 26.95,123.475 26.95,118 29.975,114.975 29.975,111.325 31.175,110.125 37.575,110.125 52.275,95.425 71.4,95.425
  Bottom Layer w0.254: v2(91.25,41.45) 90.425,42.275 90.425,43.35 91.325,44.25 134.13,44.25 触摸屏.10@135.5,45.62 触摸屏.10@135.605,45.725 ; v1(118.75,109.025) 118.7,108.975 118.7,95.575 v1(118.65,95.525) 118.65,90.225 126.975,81.9 136.975,81.9 139.35,79.525 139.35,47.025 138.05,45.725 触摸屏.10@135.605,45.725 ; 136.581,45.781 135.661,45.781 触摸屏.10@135.605,45.725
SDA: JP4.4 JP5.4 RN4.2 TM1.3 U0.44 U1.15 U4.13 触摸屏.9 | length 267.1
  Top Layer w0.254: JP4.4@28.99,122 28.99,117.16 30.675,115.475 30.675,111.575 31.5,110.75 37.95,110.75 52.425,96.275 v2(70.25,96.275) ; U1.15@72.55,98.325 72.575,98.3 72.575,96.3 v2(72.6,96.275) 72.688,96.362 119.562,96.362 v1(119.65,96.45) ; U0.44@88.006,46.248 88.006,44.144 88.882,43.268 88.882,42.983 89.048,42.817 89.132,42.817 RN4.2@89.45,42.5 ; RN4.2@89.45,42.58 89.767,42.897 91.225,42.897 U4.13@92.625,42.897 ; v1(117.375,109.025) 117.402,108.998 117.402,107.57 TM1.3@117.43,107.542
  Bottom Layer w0.254: JP4.4@28.99,122 30.915,120.075 41.575,120.075 JP5.4@43.5,122 ; v2(70.25,96.275) v2(72.6,96.275) ; v2(91.225,42.925) 91.302,43.002 135.423,43.002 触摸屏.9@135.5,43.08 137.955,43.08 140.475,45.6 140.475,80.1 137.9,82.675 127.525,82.675 119.65,90.55 v1(119.65,96.45) 119.65,110.075 119.1,110.625 118.05,110.625 117.375,109.95 v1(117.375,109.025)
SS: "RFID SPI 28.8" JP3.1 U0.19 | length 217.4
  Top Layer w0.254: JP3.1@22.2,122 22.2,117.725 22.6,117.325 26.475,117.325 29.25,114.55 29.25,111.1 30.95,109.4 37.175,109.4 53.325,93.25 v1(69.675,93.25) 74.425,93.25 75.575,92.1 158.2,92.1 167.769,101.669 168.779,101.669 169,101.89 ; v1(69.225,52.85) 69.7,52.375 74.75,52.375 76.107,51.018 77.235,51.018 U0.19@77.253,51
  Bottom Layer w0.254: v1(69.225,52.85) 69.225,54.425 69.925,55.125 69.925,92.879 69.675,93.129 v1(69.675,93.25)
pads on no net: "LCD1602 I2C 0X20.0" "LCD1602 I2C 0X20.7" "LCD1602 I2C 0X20.8" "LCD1602 I2C 0X20.9" "LCD1602 I2C 0X20.10" "S1 22.3" "S1 22.4" "S2 23.3" "S2 23.4" "S3 24.3" "S3 24.4" "S4 25.3" "S4 25.4" "S5 26.3" "S5 26.4" "S6 19.3" "S6 19.4" "SD卡  SPI   4.0" "SD卡  SPI   4.1" "SD卡  SPI   4.8" "SD卡  SPI   4.9" "温湿度 42.3" CR1.0 IC2.7 IC2.8 IC2.9 IC2.10 IC2.11 IC2.12 IC2.14 IC2.15 M1.0 M2.0 M3.0 M4.0 U0.4 U0.8 U0.9 U0.14 U0.17 U0.27 U0.28 U0.29 U0.41 U0.47 U0.48 U0.49 U0.60 U0.65 U0.66 U0.67 U0.68 U0.69 U0.73 U0.79 U0.82 U0.83 U0.84 U0.85 U0.86 U0.87 U0.88 U0.89 U0.90 U1.13 U4.8 U4.9 U4.10 U5.7 USB. USB.1 USB.2 USB.3 USB.4 USB.A5 USB.A8 USB.B5 USB.B8 电源开关.1 电源开关.4 电源开关.5 电源开关.6 触摸屏.0 触摸屏.2 触摸屏.12

## Polygon pours and split planes (outlines as drawn)
GND on Top Layer "GND_L01_P000" (hatched 90Degree grid 0.508 track 0.203, pour order 0): 1.975,129.1 0,127.125 -0.025,127.125 -0.025,1.875 1.775,0.075 173.425,0.075 175.15,1.8 175.15,127.175 173.225,129.1
GND on Bottom Layer "GND_L02_P001" (hatched 90Degree grid 0.508 track 0.203, pour order 1): 2,129 0.025,127.025 0,127.025 0,1.85 1.875,-0.025 173.45,-0.025 175.175,1.7 175.175,127.075 173.25,129

## Keep-outs
Keep-Out Layer:
  lines w0.2: 0,3 0,126 ; 3,0 172,0 ; 3,129 172,129 ; 175,3 175,126
  lines w0.254: 0,3 ccw(c3,3) 3,0 ; 0,126 cw(c3,126) 3,129 ; 172,0 ccw(c172,3) 175,3 ; 172,129 cw(c172,126) 175,126

## Silkscreen, mask and mechanical layers (free items; w line width, h text height)
Top Overlay:
  lines w0.254: 71.325,60.4 97.7,60.4 ; 73.825,47.575 95.975,47.575 ; 78.625,43.225 78.625,64.525 ; 91.375,43.125 91.375,64.6
  text "RXD  TXD" at 112.175,119.725 h1.3
  text "RXD  TXD" at 141.05,119.675 h1.3
  text "RXD  TXD" at 155.375,119.575 h1.3
  text "RXD  TXD" at 126.4,119.55 h1.3
  text "EA0  TA1" at 91,118.867 h1.5
  text "SS" at 22.633,118.628 h1.5 r90
  text "45-48" at 77.6,118.472 h2
  text "VCC" at 36.783,117.951 h1.5 r90
  text "VCC" at 100.583,117.851 h1.5 r90
  text "GND" at 103.108,117.8 h1.5 r90
  text "GND" at 119.233,117.8 h1.5 r90
  text "3V3" at 121.683,117.8 h1.5 r90
  text "GND" at 133.608,117.8 h1.5 r90
  text "3V3" at 136.208,117.8 h1.5 r90
  text "GND" at 148.158,117.8 h1.5 r90
  text "VCC" at 150.733,117.801 h1.5 r90
  text "GND" at 162.608,117.8 h1.5 r90
  text "VCC" at 165.333,117.801 h1.5 r90
  text "SCL" at 32.183,117.709 h1.5 r90
  text "SCL" at 46.783,117.709 h1.5 r90
  text "VCC" at 9.958,117.544 h1.5 r90
  text "VCC" at 51.558,117.544 h1.5 r90
  text "VCC" at 61.008,117.544 h1.5 r90
  text "SCK" at 20.108,117.523 h1.5 r90
  text "SDA" at 29.608,117.526 h1.5 r90
  text "SDA" at 43.958,117.526 h1.5 r90
  text "GND" at 12.583,117.455 h1.5 r90
  text "GND" at 34.658,117.455 h1.5 r90
  text "GND" at 49.033,117.455 h1.5 r90
  text "GND" at 63.533,117.455 h1.5 r90
  text "MOSI" at 17.633,117.058 h1.5 r90
  text "MISO" at 15.108,117.025 h1.5 r90
  text "GND" at 3.158,115.825 h1.5 r90
  text "VCC" at 5.358,115.826 h1.5 r90
  text "单色LED    10" at 155.65,101.282 h1.8
  text "3V3" at 4.675,92.667 h1.5
  text "GND" at 1,92.617 h1.5
  text "→" at 15.604,79.696 h2.5 r225
  text "时钟  SCL 13  SDA 12" at 98.825,78.726 h1.5
  text "陀螺仪   I2C   0X53" at 113.701,78.661 h1.5
  text "→" at 15.679,78.421 h2.5 r225
  text "A4" at 5.95,76.35 h2.5
  text "Battety1" at 112,76.032 h1.5
  text "ON1" at 17.075,62.82 h1.8
  text "L1  31" at 59.475,4.622 h2
  text "L2  32" at 65.928,4.622 h2
  text "L3  33" at 72.616,4.622 h2
  text "L4  34" at 79.317,4.622 h2
  text "L5  35" at 86.013,4.622 h2
  text "L6  36" at 92.723,4.622 h2
  text "L7  37" at 99.424,4.622 h2
  text "L8  38" at 106.125,4.622 h2
  text "蓝桥/STEMA考试专用套装" at 69.628,1.529 h2.8
Mechanical 1:
  lines w0.254: -0.01,3 ccw(c3,3) 3,-0.01 ; -0.01,126 cw(c3,126) 3,129.01 ; 0,3 0,126 ; 3,0 172,0 ; 3,129 172.01,129 ; 172,-0.01 ccw(c172,3) 175.01,3 ; 172,129.01 cw(c172,126) 175.01,126 ; 175,3 175,126.01

## Text inside footprints (layer, text, board x,y; h text height)
"SD卡  SPI   4": Top Overlay "1" at 15.598,14.882 h0.76; Top Overlay "2" at 14.506,14.882 h0.76; Top Overlay "3" at 13.439,14.882 h0.76; Top Overlay "4" at 12.246,14.882 h0.76; Top Overlay "5" at 11.179,14.882 h0.76; Top Overlay "6" at 10.112,14.882 h0.76; Top Overlay "7" at 9.045,14.882 h0.76; Top Overlay "8" at 7.928,14.882 h0.76; Top Overlay "k" at 6.658,14.882 h0.76
触摸屏: Top Overlay "旧触摸屏 IC 0X77 2" at 138.109,53.494 h2 r270; Top Overlay "新触摸屏  RXD41  TXD40   2" at 33.776,21.852 h2 r90